# Altium PCB LimeSDR-X3_1v2.PcbDoc (part 3 of 25) (continued)
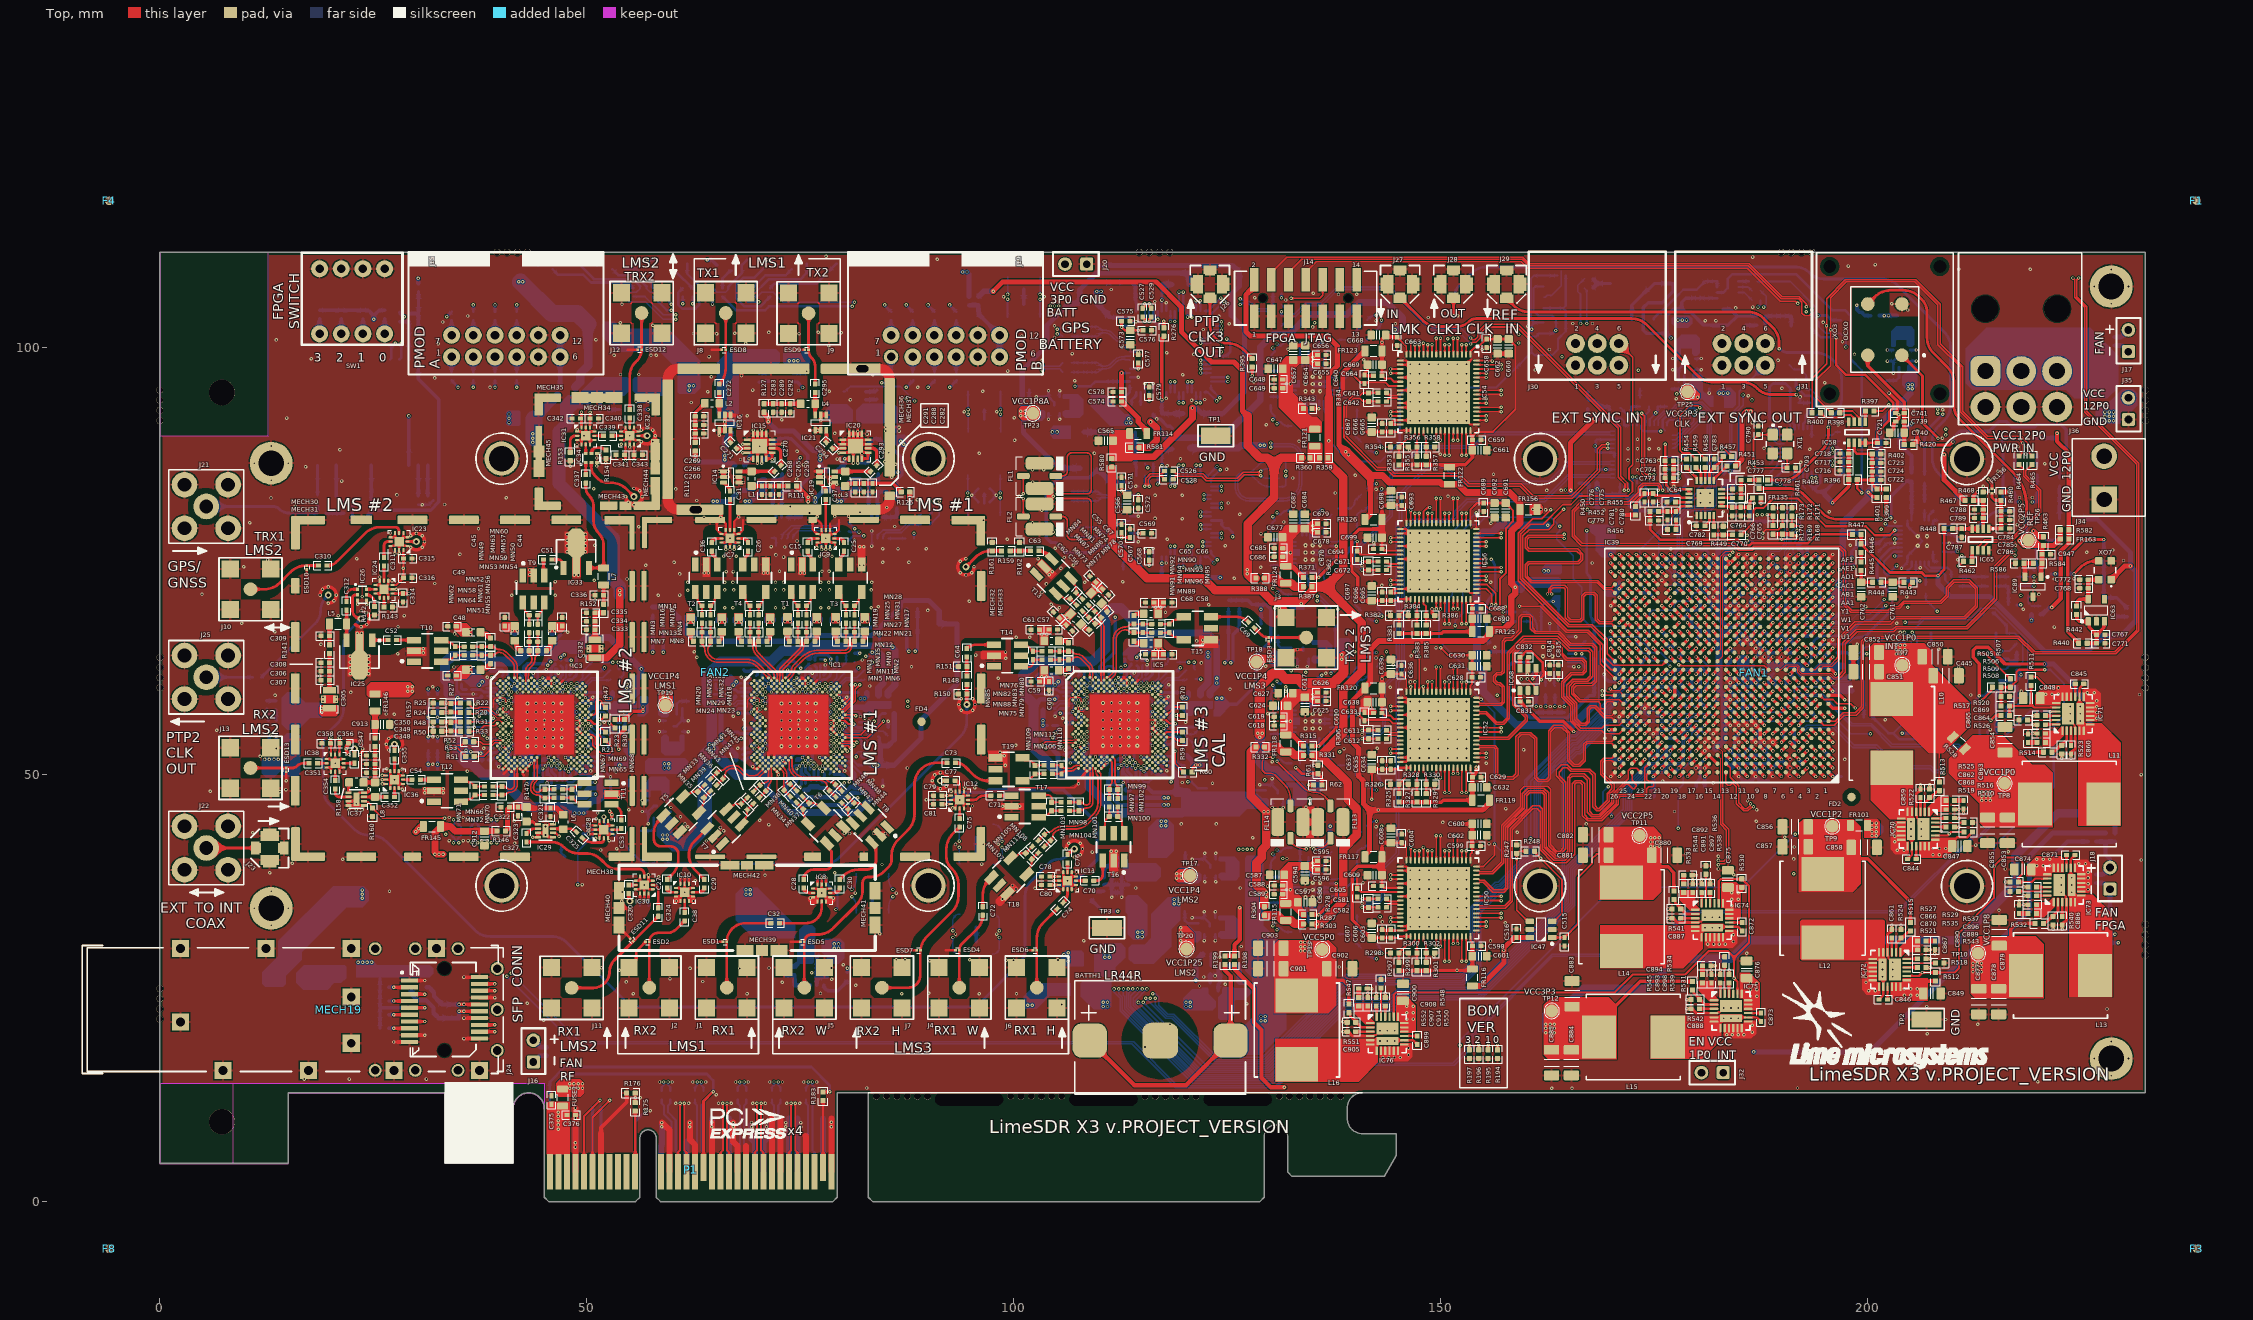
[diagram p0: Top view]
## Components (designator, comment, footprint, x,y, rotation, side; value= is the part's Value field where it differs from the comment) (continued)
IC11 "PE42422" PE42422_QFN12#1 106.275,37.575 r90 top
IC12 "PE42422" PE42422_QFN12#2 93.64,47.037 r90 top
IC13 "PS22917" SOT23-6#1 72.775,97.025 r180 bottom
IC14 "QPA4563A" QPA4563ATR7_SOT363-6 66.897,84.848 r0 top
IC15 "F2258NLGK8" "F2258NLGK8 _QFN3x3_16" 70.222,88.449 r0 top
IC16 "QPA4563A" QPA4563ATR7_SOT363-6 66.144,91.227 r90 top
IC17 "AD5662" AD5662_SOT23-8 73.108,78.894 r270 bottom
IC18 "PS22917" SOT23-6#1 81.325,93.9 r0 bottom
IC19 "QPA4563A" QPA4563ATR7_SOT363-6 78.125,84.85 r0 top
IC20 "F2258NLGK8" "F2258NLGK8 _QFN3x3_16" 81.45,88.45 r0 top
IC21 "QPA4563A" QPA4563ATR7_SOT363-6 77.375,91.225 r90 top
IC22 "AD5662" AD5662_SOT23-8 84.335,78.894 r270 bottom
IC23 "PE42422" PE42422_QFN12#1 28.004,77.289 r180 top
IC24 "PE42422" PE42422_QFN12#1 26.229,71.702 r270 top
IC25 "TQP369182" PGA-102+_SOT89 23.354,63.752 r270 top
IC26 "DC2337J5020AHF" DC2337J5020AHF_ANAREN_COUPLER_0805 23.704,71.052 r90 top
IC27 "PS22917" SOT23-6#1 13.625,55.062 r90 bottom
IC28 "PE42422" PE42422_QFN12#1 51.975,43.55 r90 top
IC29 "TQL9092" TQL9092 45.144,43.419 r0 top
IC30 "PE42422" PE42422_QFN12#1 56.709,37.069 r180 top
IC31 "PE42422" PE42422_QFN12#1 49.861,89.669 r0 top
IC32 "PE42422" PE42422_QFN12#1 55.011,89.67 r180 top
IC33 "TQP369182" PGA-102+_SOT89 48.744,76.201 r90 top
IC34 "DC2337J5020AHF" DC2337J5020AHF_ANAREN_COUPLER_0805 50.511,87.094 r180 top
IC35 "PS22917" SOT23-6#1 55.15,93.702 r180 bottom
IC36 "PE42422" PE42422_QFN12#1 27.466,49.407 r90 top
IC37 "TQL9092" TQL9092 22.991,47.132 r0 top
IC38 "PE42422" PE42422_QFN12#1 20.516,51.332 r0 top
IC39 "XC7A200T-2FBG676C" XC7A200T-2FBG676C_FBG676 182.875,62.775 r180 top locked
IC40 "MT25QL128" S25FL164K_WSON8_DFN6 211.81,61.7 r0 bottom
IC41 "MX25L25635FMI" SOIC16_WIDE 211.825,61.7 r90 bottom
IC42 "LM75" HWSON8_LM75 135.09,68.661 r180 bottom
IC43 "CAT24C128WI-GT3" SOIC127P600-8DL_v2#2 159.168,106.52 r0 bottom
IC44 "ATECC508A" ATECC508A_UDFN8 159.112,101.04 r0 bottom
IC45 "ATECC508A" SOIC127P600-8DL_v2#2 159.168,101.02 r0 bottom
IC46 "LYNQ N20B" NEO-7M/8M 24.35,92.425 r270 bottom
IC47 "SN74AVC1T45DBV" SOT23-6#2 161.722,31.872 r180 top
IC48 "MAX5878" MAX5878_QFN68 118.328,80.253 r90 bottom
IC49 "MAX5878" MAX5878_QFN68 118.328,99.528 r90 bottom
IC50 "ADS4246IRGCR" TI-RGC64-7400X7400TP_V 149.7,35.5 r270 top
IC51 "ADA4930-2" ADA4930-2_LFCSP-24 135,36.5 r0 bottom
IC52 "ADS4246IRGCR" TI-RGC64-7400X7400TP_V 149.7,55.25 r270 top
IC53 "ADA4930-2" ADA4930-2_LFCSP-24 135,56.25 r0 bottom
IC54 "ADS4246IRGCR" TI-RGC64-7400X7400TP_V 149.7,94.75 r270 top
IC55 "ADA4930-2" ADA4930-2_LFCSP-24 135,95.75 r0 bottom
IC56 "ADS4246IRGCR" TI-RGC64-7400X7400TP_V 149.7,75 r270 top
IC57 "ADA4930-2" ADA4930-2_LFCSP-24 135,76 r0 bottom
IC58 "AD5662" AD5662_SOT23-8 198.725,90.089 r90 top
IC59 "CDCM61004RHB" CDCM61004RHB_CLK_GEN_VQFN32 192.65,87.975 r90 bottom
IC60 "LP5951" LP5951MF_SOT23-5 184.366,103.55 r0 bottom
IC61 "AD5662" AD5662_SOT23-8 183.575,106.775 r0 bottom
IC62 "LMK00101" LMK00101_WQFN32 206.375,77.35 r0 bottom
IC63 "LP5907-3.0" SOT23-5#1 226.75,69.237 r90 top
IC64 "ADF4002" ADF4002 180.95,82.4 r90 top
IC65 "AD5662" AD5662_SOT23-8 213.175,77.54 r270 top
IC66 "LMK00101" LMK00101_WQFN32 162.5,64.4 r90 bottom
IC67 "CDCM6208V2GRGZR" "CDCM6208V2G _VQFN48" 173.7,87.475 r180 bottom
IC68 "SN74AVC1T45DBV" SOT23-6#2 160.2,61.15 r90 top
IC69 "SN65LVDS1" SOT23-5#2 218.5,88.475 r180 bottom
IC70 "ADP2386" ADP2386 205.9,43.625 r270 top
IC71 "ADP2386" ADP2386 224.025,57.125 r90 top
IC72 "ADP2386" ADP2386 202.55,27.175 r270 top
IC73 "ADP2386" ADP2386 223,37.075 r90 top
IC74 "ADP2386" ADP2386 181.776,32.929 r0 top
IC75 "ADP2386" ADP2386 183.975,22.325 r0 top
IC76 "ADP2386" ADP2386 143.725,19.65 r0 top
IC77 "LMZ20501SILR" LMZ20501SILR_DC-DC_8-SMD 123.525,26.15 r270 bottom
IC78 "LMZ20501SILR" LMZ20501SILR_DC-DC_8-SMD 112,36.725 r0 bottom
IC79 "LMZ20501SILR" LMZ20501SILR_DC-DC_8-SMD 77.325,26.8 r90 bottom
IC80 "AP7361-FGE" AP7361 122.975,39.125 r0 bottom
IC81 "AP7361-FGE" AP7361 133.845,64.514 r0 bottom
IC82 "AP7361-FGE" AP7361 60.18,55.667 r270 bottom
IC83 "AP7361-FGE" AP7361 122.941,32.25 r0 bottom
IC84 "AP7361-FGE" AP7361 130.875,47.825 r0 bottom
IC85 "AP7361-FGE" AP7361 58.15,46.325 r90 bottom
IC86 "AP7361-FGE" AP7361 104.695,93.276 r0 bottom
IC87 "AP7361-FGE" AP7361 203.961,99.07 r90 bottom
IC88 "AP7361-FGE" AP7361 178.811,98.07 r90 bottom
IC89 "AS431" SOT23-3_v2 219.325,72 r270 top
J1 "MCX" MCX_connector_vertical_SM 66.375,25.05 r0 top locked
J2 "MCX" MCX_connector_vertical_SM 57.3,25.05 r0 top locked
J3 "MCX" MCX_connector_vertical_SM 134.225,66.05 r0 top locked
J4 "MCX" MCX_connector_vertical_SM 93.6,25.05 r0 top locked
J5 "MCX" MCX_connector_vertical_SM 75.45,25.05 r0 top locked
J6 "MCX" MCX_connector_vertical_SM 102.675,25.05 r0 top locked
J7 "MCX" MCX_connector_vertical_SM 84.525,25.05 r0 top locked
J8 "MCX" MCX_connector_vertical_SM 66.247,104.05 r0 top locked
J9 "MCX" MCX_connector_vertical_SM 75.95,104.025 r0 top locked
J10 "MCX" MCX_connector_vertical_SM 10.6,71.701 r0 top locked
J11 "MCX" MCX_connector_vertical_SM 48.2,25.025 r0 top locked
J12 "MCX" MCX_connector_vertical_SM 56.4,104.05 r0 top locked
J13 "MCX" MCX_connector_vertical_SM 10.6,50.775 r0 top locked
J14 "878321420" MOLEX-878321420_V 134.15,105.8 r0 top locked
J15 "PMOD connector" HEADER6X_TH_RIGHT_ANGLE_LOCK#1 40.504,100.175 r0 top locked
J16 "Header" HDR_1x2 43.725,17.625 r180 top
J17 "Header" HDR_1x2 230.5,100.798 r180 top
J18 "Header" HDR_1x2 228.35,37.85 r180 top
J19 "PMOD connector" HEADER6X_TH_RIGHT_ANGLE_LOCK#2 91.963,100.175 r0 top locked
J20 "Batt" HDR_1x2 107.25,109.775 r270 top
J21 "SMA panel mount" SMA_connector_side 5.425,81.4 r0 top locked
J22 "SMA panel mount" SMA_connector_side 5.425,41.4 r0 top locked
J23 "U.FL/MMCX" MMCX_UFL_conn_u 12.843,41.4 r90 top
J24 "1367073-1" SFP_CON_x1_1367073-1 33.299,22.496 r0 top locked
J25 "SMA panel mount" SMA_connector_side 5.425,61.4 r0 top locked
J26 "U.FL/MMCX" MMCX_UFL_conn_u 122.95,107.425 r180 top
J27 "U.FL/MMCX" MMCX_UFL_conn_u 145.217,107.425 r180 top
J28 "U.FL/MMCX" MMCX_UFL_conn_u 151.458,107.425 r180 top
J29 "U.FL/MMCX" MMCX_UFL_conn_u 157.7,107.425 r180 top
J30 "Header 3X2" BHR-06-HUA_2x3_EDGE_HEADER 168.3,100.475 r0 top locked
J31 "Header 3X2" BHR-06-HUA_2x3_EDGE_HEADER 185.45,100.475 r0 top locked
J32 "Header" HDR_1x2 181.775,15.1 r270 top
J34 "12V" 1744037-2_CONNECTOR_1X2 227.65,84.75 r90 top
J35 "Header" HDR_1x2 230.5,92.845 r180 top
J36 "6-pin PCIe power" PCIe_POWER_HEADER_6PIN 213.75,97.25 r0 top locked
L1 "22nH, 350mA" RES0603 69.272,84.648 r90 top
L2 "22nH, 350mA" RES0603 64.65,93.475 r0 top
L3 "22nH, 350mA" RES0603 80.25,84.65 r90 top
L4 "22nH, 350mA" RES0603 75.875,93.425 r0 top
L5 "15nH, 600mA" RES0805#2 20.854,67.652 r0 top
L6 "18nH, 10%" RES0603 47.225,44.45 r270 top
L7 "15nH, 600mA" RES0805#2 51.95,73.2 r90 top
L8 "18nH, 10%" RES0603 25.191,48.232 r270 top
L9 "47nH" RES0402#1 18.95,80.625 r0 bottom
L10 "1µH" FDVE1040_TOKO_INDUCTOR 202.8,54.825 r90 top
L11 "1µH" FDVE1040_TOKO_INDUCTOR 223.575,46.55 r180 top
L12 "1µH" FDVE1040_TOKO_INDUCTOR 194.7,34.35 r90 top
L13 "1.5uH" FDVE1040_TOKO_INDUCTOR 222.55,26.475 r180 top
L14 "2.2µH" FDVE1040_TOKO_INDUCTOR 171.151,33.355 r90 top
L15 "2.2µH" FDVE1040_TOKO_INDUCTOR 172.525,19.275 r180 top
L16 "3.3µH" FDVE1040_TOKO_INDUCTOR 133.125,20.1 r90 top
LED1 "LED RG Angle" LED_RG_RIGHT_ANGLE_V3 45.975,109.825 r0 bottom
LED2 "LED RG Angle" LED_RG_RIGHT_ANGLE_V3 52.975,109.825 r0 bottom
LED3 "LED RG Angle" LED_RG_RIGHT_ANGLE_V3 59.975,109.825 r0 bottom
LED4 "LED RG Angle" LED_RG_RIGHT_ANGLE_V3 66.975,109.825 r0 bottom
LED5 "LED RG Angle" LED_RG_RIGHT_ANGLE_V3 80.975,109.825 r0 bottom
LED6 "LED RG Angle" LED_RG_RIGHT_ANGLE_V3 73.975,109.825 r0 bottom
MECH15 "Standoff" PCB_standoff 13.025,34.35 r90 bottom locked
MECH16 "Standoff" PCB_standoff 13.025,86.475 r90 bottom
MECH17 "Standoff" PCB_standoff 228.5,16.75 r90 bottom locked
MECH18 "Standoff" PCB_standoff 228.5,107.15 r90 bottom locked
MECH19 "2227302-1" SFP_Chassis_22273021 16.75,22.25 r0 top locked
MECH30 "PIC-S-208F" PIC-S-208F_RF_SHIELD_FRAME_R0#1 35.575,60.1 r0 top locked
MECH31 "PIC-S-208C" PIC-S-208C_RF_SHIELD_COVER 35.6,60.13 r0 top locked
MECH32 "PIC-S-208F" PIC-S-208F_RF_SHIELD_FRAME_R0#2 76.425,60.105 r90 top locked
MECH33 "PIC-S-208C" PIC-S-208C_RF_SHIELD_COVER 76.395,60.13 r0 top
MECH34 "RFI Shield clip" RFI_SHIELD_CLPS_MINI#1 51.186,94.144 r0 top
MECH35 "BMI-S-101" BMI-S-101_RF_SHIELD_v2 51.186,87.819 r0 top locked
MECH36 "MS263-10F" MS263-10F_RF_SHIELD_FRAME_V2 72.45,89.275 r0 top locked
MECH37 "MS263-10CP" MS263-10CP_RF_SHIELD_COVER 72.45,89.3 r180 top locked
MECH38 "S03-30100300R" S03-30100300R_RF_SHIELD 68.75,34.4 r180 top locked
MECH39 "RFI Shield clip" RFI_SHIELD_CLPS_MINI#1 70.5,29.4 r180 top
MECH40 "RFI Shield clip" RFI_SHIELD_CLPS_MINI#2 53.75,34.4 r90 top
MECH41 "RFI Shield clip" RFI_SHIELD_CLPS_MINI#1 83.75,34.4 r90 top
MECH42 "RFI Shield clip" RFI_SHIELD_CLPS_MINI#3 68.75,39.4 r180 top
MECH43 "RFI Shield clip" RFI_SHIELD_CLPS_MINI#4 54.525,81.5 r0 top
MECH44 "RFI Shield clip" RFI_SHIELD_CLPS_MINI#5 58.011,85.82 r90 top
MECH45 "RFI Shield clip" RFI_SHIELD_CLPS_MINI#6 44.361,87.819 r90 top
MN1 "0uH (0R)" RES0603 73.484,67.611 r90 top
MN2 "0uH (0R)" RES0603 76.916,67.611 r90 top
MN3 "0uH (0R)" RES0603 62.13,67.587 r90 top
MN4 "0uH (0R)" RES0603 65.81,67.587 r90 top
MN5 "8.2nH, 5%" RES0402#2 74.2,65.621 r180 top
MN6 "8.2nH, 5%" RES0402#2 76.2,65.621 r0 top
MN7 "8.2nH, 5%" RES0402#2 62.97,65.621 r180 top
MN8 "8.2nH, 5%" RES0402#2 64.97,65.621 r0 top
MN9 "0.8pF" CAP0402#2 75.7,68.221 r270 top
MN10 "0.8pF" CAP0402#2 64.47,68.221 r270 top
MN11 "1pF" CAP0402#2 75.2,66.671 r180 top
MN12 "0.5pF" CAP0402#2 75.2,69.771 r0 top
MN13 "1pF" CAP0402#2 63.97,66.671 r180 top
MN14 "0.5pF" CAP0402#2 63.97,69.771 r0 top
MN15 "0.8pF" CAP0402#2 74.7,68.221 r270 top
MN16 "0.8pF" CAP0402#2 63.47,68.221 r270 top
MN17 "100uH" RES0603 82.542,67.611 r90 top
MN18 "100uH" RES0603 71.44,67.587 r90 top
MN19 "100uH" RES0603 79.11,67.611 r90 top
MN20 "100uH" RES0603 67.76,67.587 r90 top
MN21 "47nH" RES0402#2 81.826,65.621 r0 top
MN22 "47nH" RES0402#2 79.826,65.621 r180 top
MN23 "47nH" RES0402#2 70.6,65.621 r0 top
MN24 "47nH" RES0402#2 68.6,65.621 r180 top
MN25 "100nF, 16V" CAP0402#2 80.326,68.221 r270 top
MN26 "100nF, 16V" CAP0402#2 69.1,68.221 r270 top
MN27 "0.5pF" CAP0402#2 80.826,66.671 r180 top
MN28 "2pF" CAP0402#2 80.826,69.771 r180 top
MN29 "0.5pF" CAP0402#2 69.6,66.671 r180 top
MN30 "2pF" CAP0402#2 69.6,69.771 r180 top
MN31 "100nF, 16V" CAP0402#2 81.326,68.221 r90 top
MN32 "100nF, 16V" CAP0402#2 70.1,68.221 r90 top
MN33 "510pF" CAP0402#2 64.113,49.129 r45 top
MN34 "510pF" CAP0402#2 74.176,47.084 r135 top
MN35 "8.2nH, 5%" RES0402#2 63.335,47.644 r135 top
MN36 "1.2pF" CAP0402#2 65.557,49.866 r135 top
MN37 "8.2nH, 5%" RES0402#2 75.661,46.306 r225 top
MN38 "1.2pF" CAP0402#2 73.434,48.534 r225 top
MN39 "510pF" CAP0402#2 64.82,48.422 r45 top
MN40 "510pF" CAP0402#2 74.883,47.791 r135 top
MN41 "2pF" CAP0402#2 69.159,47.683 r45 top
MN42 "2pF" CAP0402#2 79.484,47.042 r135 top
MN43 "0.5pF" CAP0402#2 68.416,46.234 r135 top
MN44 "0.5pF" CAP0402#2 80.933,46.299 r225 top
MN45 "1pF" CAP0402#2 70.608,48.426 r135 top
MN46 "1pF" CAP0402#2 78.741,48.491 r225 top
MN47 "2pF" CAP0402#2 69.866,46.976 r45 top
MN48 "2pF" CAP0402#2 80.191,47.749 r135 top
MN49 "0uH (0R)" RES0603 41.541,66.542 r90 top
MN50 "0uH (0R)" RES0603 45.941,66.542 r90 top
MN51 "0uH (0R)" RES0603 36.69,62.282 r180 top
MN52 "0uH (0R)" RES0603 36.69,66.682 r180 top
MN53 "4.7nH, ±0.2" RES0402#2 42.741,64.507 r180 top
MN54 "4.7nH, ±0.2" RES0402#2 44.741,64.507 r0 top
MN55 "4.7nH, ±0.2" RES0402#2 38.725,63.482 r270 top
MN56 "4.7nH, ±0.2" RES0402#2 38.725,65.482 r90 top
MN57 "0.4pF. 50V" CAP0402#2 44.241,67.107 r270 top
MN58 "0.4pF. 50V" CAP0402#2 36.125,64.982 r0 top
MN59 "10nH, 500mA" CAP0402#2 43.741,65.557 r180 top
MN60 "0.5pF" CAP0402#2 43.741,68.657 r0 top
MN61 "10nH, 500mA" CAP0402#2 37.675,64.482 r270 top
MN62 "0.5pF" CAP0402#2 34.575,64.482 r90 top
MN63 "0.4pF. 50V" CAP0402#2 43.241,67.107 r270 top
MN64 "0.4pF. 50V" CAP0402#2 36.125,63.982 r0 top
MN65 "0.3pF, 50V" CAP0402#2 46.659,47.278 r180 top
MN66 "0.3pF, 50V" CAP0402#2 38.491,48.607 r0 top
MN67 "30nH, 300mA" RES0402#2 45.064,47.778 r270 top
MN68 "13nH, 400mA" RES0402#2 48.259,47.778 r270 top
MN69 "0.3pF, 50V" CAP0402#2 46.659,48.278 r180 top
MN70 "30nH, 300mA" RES0402#2 40.041,48.107 r90 top
MN71 "13nH, 400mA" RES0402#2 36.891,48.107 r90 top
MN72 "0.3pF, 50V" CAP0402#2 38.491,47.607 r0 top
MN73 "0uH (0R)" RES0603 107.235,68.221 r135 top
MN74 "0uH (0R)" RES0603 109.661,70.648 r135 top
MN75 "0uH (0R)" RES0603 104.39,62.227 r180 top
MN76 "0uH (0R)" RES0603 104.39,65.659 r180 top
MN77 "4.7nH, ±0.2" RES0402#2 109.148,67.321 r225 top
MN78 "4.7nH, ±0.2" RES0402#2 110.562,68.735 r45 top
MN79 "4.7nH, ±0.2" RES0402#2 106.38,62.943 r270 top
MN80 "4.7nH, ±0.2" RES0402#2 106.38,64.943 r90 top
MN81 "0.4pF. 50V" CAP0402#2 108.37,70.22 r315 top
MN82 "0.4pF. 50V" CAP0402#2 103.78,64.443 r0 top
MN83 "10nH, 500mA" CAP0402#2 105.33,63.943 r270 top
MN84 "0.5pF" CAP0402#2 106.921,70.962 r45 top
MN85 "0.5pF" CAP0402#2 102.23,63.943 r90 top
MN86 "10nH, 500mA" CAP0402#2 109.113,68.77 r45 top
MN87 "0.4pF. 50V" CAP0402#2 107.663,69.513 r315 top
MN88 "0.4pF. 50V" CAP0402#2 103.78,63.443 r0 top
MN89 "100uH" RES0603 116.033,65.404 r0 top
MN90 "100uH" RES0603 116.033,68.836 r0 top
MN91 "47nH" RES0402#2 114.043,66.12 r270 top
MN92 "47nH" RES0402#2 114.043,68.12 r90 top
MN93 "100nF, 16V" CAP0402#2 116.643,67.62 r180 top
MN94 "0.5pF" CAP0402#2 115.093,67.12 r90 top
MN95 "2pF" CAP0402#2 118.193,67.12 r90 top
MN96 "100nF, 16V" CAP0402#2 116.643,66.62 r0 top
MN97 "0.3pF, 50V" CAP0402#2 111.157,46.71 r90 top
MN98 "0.3pF, 50V" CAP0402#2 106.014,46.767 r0 top
MN99 "30nH, 300mA" RES0402#2 111.657,48.252 r180 top
MN100 "13nH, 400mA" RES0402#2 111.657,45.11 r180 top
MN101 "30nH, 300mA" RES0402#2 107.614,46.267 r90 top
MN102 "0.3pF, 50V" CAP0402#2 112.157,46.71 r90 top
MN103 "13nH, 400mA" RES0402#2 104.414,46.267 r90 top
MN104 "0.3pF, 50V" CAP0402#2 106.014,45.767 r0 top
MN105 "100pF, 50V" CAP0402#2 102.49,41.913 r45 top
MN106 "100pF, 50V" CAP0402#2 104.009,50.085 r0 top
MN107 "10nH, 5%" RES0402#2 101.712,40.428 r135 top
MN108 "0.8pF" CAP0402#2 103.94,42.655 r315 top
MN109 "10nH, 5%" RES0402#2 102.459,50.585 r270 top
MN110 "0.8pF" CAP0402#2 105.559,50.585 r90 top
MN111 "100pF, 50V" CAP0402#2 103.197,41.206 r45 top
MN112 "100pF, 50V" CAP0402#2 104.009,51.085 r0 top
P1 "PCIeX4-GF-2D-1000-1K-O64" PCIeX4-GF-2D-1000-1K-O64 59.75,3.25 r0 top locked
R1 "10k, 1%" RES0402#1 192.375,76.525 r180 bottom
R2 "10k, 1%" RES0402#1 196.65,68.375 r90 bottom
R3 "10k, 1%" RES0402#1 191.875,68.275 r180 bottom
R4 "10k, 1%" RES0402#1 83.856,53.344 r180 bottom
R5 "10k, 1%" RES0402#1 83.631,54.444 r0 bottom
R6 "0R" RES0402#1 85.225,55.05 r270 bottom
R7 "49.9R, 1%" RES0402#1 80.846,64.213 r0 bottom
R8 "49.9R, 1%" RES0402#1 82.969,61.106 r0 bottom
R9 "49.9R, 1%" RES0402#1 83.022,62.282 r0 bottom
R10 "49.9R, 1%" RES0402#1 80.821,62.025 r0 bottom
R11 "10k, 1%" RES0402#1 194.875,75.275 r180 bottom
R12 "10k, 1%" RES0402#1 74.67,57.439 r315 bottom
R13 "2k2, 1%" RES0402#1 88.706,69.897 r270 bottom
R14 "2k2, 1%" RES0402#1 87.436,69.897 r270 bottom
R15 "49.9R" RES0402#1 32.5,55.65 r270 bottom
R16 "0R" RES0402#1 32.5,58.85 r270 bottom
R17 "49.9R" RES0402#1 31.4,55.65 r270 bottom
R18 "100R, 1%" RES0402#1 31.95,57.25 r180 bottom
R19 "0R" RES0402#1 31.4,58.85 r270 bottom
R20 "0R" RES0402#2 35.7,57.275 r180 top
R21 "0R" RES0402#2 52.191,54.482 r90 top
R22 "0R" RES0402#2 35.7,58.375 r180 top
R23 "10k, 1%" RES0402#2 53.291,55.957 r90 top
R24 "49.9R" RES0402#2 32.5,57.275 r180 top
R25 "49.9R" RES0402#2 32.5,58.375 r180 top
R26 "0R" RES0402#1 31.4,53.35 r270 bottom
R27 "100R, 1%" RES0402#2 34.1,57.825 r90 top
R28 "10k, 1%" RES0402#1 48.191,58.532 r270 bottom
R29 "0R" RES0402#1 32.5,53.35 r270 bottom
R30 "10k, 1%" RES0402#2 54.391,55.957 r270 top
R31 "0R" RES0402#2 35.7,56.175 r180 top
R32 "10k, 1%" RES0402#1 54.106,53.594 r180 bottom
R33 "0R" RES0402#2 35.7,55.075 r180 top
R34 "10k, 1%" RES0402#1 53.881,54.694 r0 bottom
R35 "0R" RES0402#1 55.991,55.169 r180 bottom
R36 "49.9R" RES0402#1 31.4,50.15 r270 bottom
R37 "39R, 1%" RES0402#1 34.125,43.375 r270 bottom
R38 "49.9R" RES0402#1 32.475,50.15 r270 bottom
R39 "100R, 1%" RES0402#1 31.95,51.75 r0 bottom
R40 "39R, 1%" RES0402#1 35.225,43.375 r270 bottom
R41 "39R, 1%" RES0402#1 38.55,43.375 r270 bottom
R42 "49.9R, 1%" RES0402#1 51.096,63.163 r0 bottom
R43 "39R, 1%" RES0402#1 39.675,43.375 r270 bottom
R44 "49.9R, 1%" RES0402#1 53.281,61.169 r0 bottom
R45 "49.9R, 1%" RES0402#1 53.272,62.282 r0 bottom
R46 "49.9R, 1%" RES0402#1 51.096,62.088 r0 bottom
R47 "0R" RES0402#2 52.166,57.382 r270 top
R48 "49.9R" RES0402#2 32.5,56.175 r180 top
R49 "10k, 1%" RES0402#1 49.416,57.957 r270 bottom
R50 "49.9R" RES0402#2 32.5,55.075 r180 top
R51 "39R, 1%" RES0402#2 36.3,52.125 r180 top
R52 "100R, 1%" RES0402#2 34.1,55.625 r270 top
R53 "39R, 1%" RES0402#2 36.25,53.85 r180 top
R54 "39R, 1%" RES0402#1 36.325,43.375 r270 bottom
R55 "39R, 1%" RES0402#1 37.45,43.375 r270 bottom
R56 "10k, 1%" RES0402#1 44.946,57.413 r315 bottom
R57 "2k2, 1%" RES0402#1 58.956,69.147 r270 bottom
R58 "2k2, 1%" RES0402#1 57.686,69.147 r270 bottom
R59 "0R" RES0402#2 119.731,54.498 r90 top
R60 "10k, 1%" RES0402#2 120.375,50.3 r0 top
R61 "10k, 1%" RES0402#2 135.6,50.6 r270 top
R62 "10k, 1%" RES0402#2 135.575,48.8 r180 top
R63 "10k, 1%" RES0402#1 121.546,53.61 r180 bottom
R64 "10k, 1%" RES0402#1 121.546,54.71 r0 bottom
R65 "0R" RES0402#1 123.246,55.81 r180 bottom
R66 "49.9R, 1%" RES0402#1 118.536,63.18 r0 bottom
R67 "49.9R, 1%" RES0402#1 120.721,61.185 r0 bottom
R68 "49.9R, 1%" RES0402#1 120.712,62.299 r0 bottom
R69 "49.9R, 1%" RES0402#1 118.511,62.041 r0 bottom
R70 "0R" RES0402#2 119.725,57.425 r270 top
R71 "10k, 1%" RES0402#1 116.825,57.925 r270 bottom
R72 "10k, 1%" RES0402#1 112.336,57.456 r315 bottom
R73 "2k2, 1%" RES0402#1 126.396,69.913 r270 bottom
R74 "2k2, 1%" RES0402#1 125.126,69.913 r270 bottom
R75 "0R" RES0402#1 84.156,58.794 r270 bottom
R76 "0R" RES0402#1 85.256,58.794 r270 bottom
R77 "10R" RES0201 69.847,61.26 r90 bottom
R78 "10R" RES0201 69.125,61.616 r90 bottom
R79 "0R" RES0201 77.341,63.233 r90 bottom
R80 "0R" RES0402#1 82.731,51.094 r180 bottom
R81 "0R" RES0402#1 82.258,52.694 r90 bottom
R82 "0R" RES0402#1 85.481,57.169 r180 bottom
R83 "0R" RES0402#1 82.261,59.599 r180 bottom
R84 "0R" RES0402#1 77.933,56.426 r270 bottom
R85 "10R" RES0201 65.081,60.894 r90 bottom
R86 "10R" RES0201 80.455,49.683 r180 bottom
R87 "0R" RES0402#1 54.406,58.794 r270 bottom
R88 "0R" RES0402#1 55.506,58.794 r270 bottom
R89 "10R" RES0201 40.097,61.26 r90 bottom
R90 "10R" RES0201 39.317,61.615 r90 bottom
R91 "0R" RES0201 47.591,63.133 r90 bottom
R92 "0R" RES0402#1 52.981,51.094 r180 bottom
R93 "0R" RES0402#1 52.511,52.694 r90 bottom
R94 "0R" RES0402#1 55.731,57.169 r180 bottom
R95 "0R" RES0402#1 52.511,59.599 r180 bottom
R96 "0R" RES0402#1 48.246,56.451 r270 bottom
R97 "10R" RES0201 35.331,60.894 r90 bottom
R98 "10R" RES0201 50.705,49.683 r180 bottom
R99 "0R" RES0402#1 121.846,58.81 r270 bottom
R100 "0R" RES0402#1 122.946,58.81 r270 bottom
R101 "10R" RES0201 107.537,61.276 r90 bottom
R102 "10R" RES0201 106.757,61.631 r90 bottom
R103 "0R" RES0201 115.031,63.15 r90 bottom
R104 "0R" RES0402#1 120.421,51.11 r180 bottom
R105 "0R" RES0402#1 119.946,52.71 r90 bottom
R106 "0R" RES0402#1 123.171,57.185 r180 bottom
R107 "0R" RES0402#1 119.951,59.615 r180 bottom
R108 "0R" RES0402#1 115.624,56.442 r270 bottom
R109 "10R" RES0201 102.771,60.91 r90 bottom
R110 "10R" RES0201 118.145,49.699 r180 bottom
R111 "39R, 1%" RES0402#2 74.047,83.798 r180 top
R112 "39R, 1%" RES0402#2 62.675,88.4 r90 top
R113 "0R" RES0402#1 72.775,99.125 r0 bottom
R114 "0R" RES0402#1 70.175,97.475 r270 bottom
R115 "0R" RES0402#1 71.259,84.554 r180 bottom
R116 "0R" RES0402#1 73.359,85.247 r0 bottom
R117 "0R" RES0402#1 71.259,83.454 r180 bottom
R118 "0R" RES0402#1 67.9,86.225 r180 bottom
R119 "4.7k, 1%" RES0402#1 71.725,88.15 r90 bottom
R120 "100R, 1%" RES0402#1 72.859,83.654 r270 bottom
R121 "0R" RES0402#1 75.069,81.689 r270 bottom
R122 "10k, 1%" RES0402#1 73.959,83.654 r270 bottom
R123 "49.9R, 1%" RES0402#1 80.1,77.35 r0 bottom
R124 "49.9R, 1%" RES0402#1 80.1,78.45 r0 bottom
R125 "49.9R, 1%" RES0402#1 80.1,79.55 r0 bottom
R126 "39R, 1%" RES0402#2 87.3,83.1 r180 top
R127 "39R, 1%" RES0402#2 70.75,92.925 r90 top
R128 "0R" RES0402#1 81.325,91.8 r180 bottom
R129 "0R" RES0402#1 83.925,93.45 r90 bottom
R130 "0R" RES0402#1 82.485,84.554 r180 bottom
R131 "0R" RES0402#1 84.585,85.248 r0 bottom
R132 "0R" RES0402#1 82.485,83.454 r180 bottom
R133 "0R" RES0402#1 78.726,85.452 r180 bottom
R134 "4.7k, 1%" RES0402#1 82.953,88.152 r90 bottom
R135 "100R, 1%" RES0402#1 84.085,83.654 r270 bottom
R136 "0R" RES0402#1 86.296,81.689 r270 bottom
R137 "10k, 1%" RES0402#1 85.185,83.654 r270 bottom
R138 "49.9R, 1%" RES0402#1 87.8,77.65 r0 bottom
R139 "49.9R, 1%" RES0402#1 89.625,79.25 r0 bottom
R140 "49.9R, 1%" RES0402#1 89.625,80.497 r0 bottom
R141 "24R, 1%" RES0402#2 19.854,64.702 r90 top
R142 "49.9R, 1%" RES0402#2 25.104,69.177 r270 top
R143 "49.9R, 1%" RES0402#2 26.729,69.635 r0 top
R144 "0R" RES0402#1 15.545,55.052 r270 bottom
R145 "0R" RES0402#1 14.073,57.602 r180 bottom
R146 "0R" RES0402#2 39.95,43.4 r0 top
R147 "5.1k, 1%" RES0603 42.925,45.35 r90 top
R148 "61.9R, 1%" RES0402#2 94.484,61.045 r90 top
R149 "22k, 1%" RES0402#1 46.975,42.05 r90 bottom
R150 "249R, 1%" RES0402#2 93.984,59.445 r0 top
R151 "249R, 1%" RES0402#2 93.984,62.645 r0 top
R152 "24R, 1%" RES0402#2 51.95,69.45 r90 top
R153 "49.9R, 1%" RES0402#2 48.036,87.244 r270 top
R154 "49.9R, 1%" RES0402#2 52.211,87.495 r270 top
R155 "0R" RES0402#1 55.16,95.613 r0 bottom
R156 "0R" RES0402#1 52.61,94.15 r270 bottom
R157 "0R" RES0402#2 25.191,53.782 r270 top
R158 "5.1k, 1%" RES0603 22.991,49.082 r0 top
R159 "61.9R, 1%" RES0402#2 99.059,76.2 r0 top
R160 "22k, 1%" RES0402#2 24.866,45.607 r90 top
R161 "249R, 1%" RES0402#2 97.459,76.7 r270 top
R162 "249R, 1%" RES0402#2 100.659,76.7 r270 top
R163 "100R, 1%" RES0402#1 180.875,75.275 r0 bottom
R164 "15R, 1%" RES0402#1 214.1,68.975 r0 bottom
R165 "1k, 1%" RES0402#1 200.025,56.725 r180 bottom
R166 "100R, 1%" RES0402#1 180.375,48.55 r180 bottom
R167 "1k, 1%" RES0402#1 200.025,57.825 r180 bottom
R168 "0R" RES0402#2 191.1,78.65 r90 top
R169 "0R" RES0402#2 190,78.65 r90 top
R170 "0R" RES0402#2 188.9,78.65 r90 top
R171 "0R" RES0402#2 191.1,80.75 r90 top
R172 "0R" RES0402#2 190,80.75 r90 top
R173 "0R" RES0402#2 188.9,80.75 r90 top
R174 "0R" RES0402#1 51.15,11.075 r180 bottom
R175 "0R" RES0402#2 55.65,11.1 r270 top
R176 "10k, 1%" RES0402#2 55.15,12.7 r180 top
R177 "4.7k, 1%" RES0402#1 181.375,71.775 r90 bottom
R178 "249R, 1%" RES0402#1 69.403,106.475 r90 bottom
R179 "249R, 1%" RES0402#1 68.233,106.475 r90 bottom
R180 "4.7k, 1%" RES0402#1 179.875,74.278 r0 bottom
R181 "4.7k, 1%" RES0402#1 186.875,68.275 r180 bottom
R182 "0R" RES0402#1 46.1,13.263 r0 bottom
R183 "0R" RES0402#2 77.65,12.35 r270 top
R184 "4.7k, 1%" RES0402#1 200.849,103.75 r180 bottom
R185 "15R, 1%" RES0402#1 217.412,64.847 r90 bottom
R186 "4.7k, 1%" RES0402#1 217.41,62.75 r90 bottom
R187 "15R, 1%" RES0402#1 205.24,59.05 r180 bottom
R188 "4.7k, 1%" RES0402#1 205.74,60.65 r270 bottom
R189 "15R, 1%" RES0402#1 205.74,64.85 r90 bottom
R190 "4.7k, 1%" RES0402#1 205.74,62.75 r90 bottom
R191 "15R, 1%" RES0402#1 217.41,58.55 r270 bottom
R192 "4.7k, 1%" RES0402#1 217.41,60.65 r270 bottom
R193 "4.7k, 1%" RES0402#1 177.875,64.275 r0 bottom
R194 "0R" RES0402#2 156.625,17.275 r270 top
R195 "0R" RES0402#2 155.525,17.275 r270 top
R196 "0R" RES0402#2 154.425,17.275 r270 top
R197 "0R" RES0402#2 153.325,17.275 r270 top
R198 "0R" RES0402#2 125.825,28.275 r90 top
R199 "0R" RES0402#2 124.725,28.275 r90 top
R200 "200R, 1%" RES0402#1 34.146,96.65 r90 bottom
R201 "200R, 1%" RES0402#1 34.146,103.7 r90 bottom
R202 "10k, 1%" RES0402#1 18.69,103.865 r270 bottom
R203 "10k, 1%" RES0402#1 21.23,103.865 r270 bottom
R204 "10k, 1%" RES0402#1 23.77,103.865 r270 bottom
R205 "10k, 1%" RES0402#1 26.31,103.865 r270 bottom
R206 "10k, 1%" RES0402#1 137.75,67.9 r270 bottom
R207 "100R, 1%" RES0402#1 54.267,106.475 r270 bottom
R208 "200R, 1%" RES0402#1 36.689,96.65 r90 bottom
R209 "200R, 1%" RES0402#1 36.689,103.7 r90 bottom
R210 "200R, 1%" RES0402#1 39.232,96.65 r90 bottom
R211 "200R, 1%" RES0402#1 39.232,103.7 r90 bottom
R212 "100R, 1%" RES0402#1 55.438,106.475 r270 bottom
R213 "3k, 1%" RES0402#1 164.113,108.425 r180 bottom
R214 "200R, 1%" RES0402#1 41.775,96.65 r90 bottom
R215 "200R, 1%" RES0402#1 41.775,103.7 r90 bottom
R216 "3k, 1%" RES0402#1 164.113,102.575 r180 bottom
R217 "100R, 1%" RES0402#1 57.746,106.475 r270 bottom
R218 "0R" RES0402#1 47.361,95.35 r0 bottom
R219 "0R" RES0402#1 45.761,94.85 r90 bottom
R220 "100R, 1%" RES0402#1 58.917,106.475 r270 bottom
R221 "100R, 1%" RES0402#1 61.225,106.475 r270 bottom
R222 "100R, 1%" RES0402#1 62.396,106.475 r270 bottom
R223 "0R" RES0402#1 228.925,42.675 r90 bottom
R224 "0R" RES0402#1 227.825,42.675 r90 bottom
R225 "0R" RES0402#1 226.225,42.175 r180 bottom
R226 "100R, 1%" RES0402#1 64.704,106.475 r270 bottom
R227 "200R, 1%" RES0402#1 85.606,96.65 r90 bottom
R228 "200R, 1%" RES0402#1 85.606,103.7 r90 bottom
R229 "100R, 1%" RES0402#1 65.867,106.475 r270 bottom
R230 "200R, 1%" RES0402#1 88.149,96.65 r90 bottom
R231 "200R, 1%" RES0402#1 88.149,103.7 r90 bottom
R232 "0R" RES0402#1 228.35,33.35 r90 bottom
R233 "200R, 1%" RES0402#1 90.691,96.65 r90 bottom
R234 "200R, 1%" RES0402#1 90.691,103.7 r90 bottom
R235 "0R" RES0402#1 228.35,30.8 r90 bottom
R236 "10k, 1%" RES0402#1 223.5,33.4 r90 bottom
R237 "200R, 1%" RES0402#1 93.234,96.65 r90 bottom
R238 "200R, 1%" RES0402#1 93.234,103.7 r90 bottom
R239 "249R, 1%" RES0402#1 71.446,106.475 r90 bottom
R240 "0R" RES0402#1 94.75,105.475 r90 bottom
R241 "0R" RES0402#1 95.85,105.475 r270 bottom
R242 "0R" RES0402#1 22.025,81.725 r180 bottom
R243 "0R" RES0402#1 23.025,79.525 r180 bottom
R244 "10R, 5%" RES0402#1 22.025,80.625 r180 bottom
R245 "0R" RES0402#1 24.75,81.176 r270 bottom
R246 "0R" RES0402#1 25.25,82.775 r0 bottom
R247 "10k, 1%" RES0402#2 158.875,41.275 r270 top
R248 "0R" RES0402#2 160.475,41.025 r0 top
R249 "0R" RES0402#1 30.25,82.125 r90 bottom
R250 "0R" RES0402#1 28.075,103.55 r90 bottom
R251 "0R" RES0402#1 29.175,103.55 r90 bottom
R252 "0R" RES0402#1 31.35,82.125 r90 bottom
R253 "0R" RES0402#1 106.202,77.852 r180 bottom
R254 "0R" RES0402#1 106.202,97.129 r180 bottom
R255 "49.9R, 1%" RES0402#1 107.802,77.352 r90 bottom
R256 "49.9R, 1%" RES0402#1 107.802,96.629 r90 bottom
R257 "100R, 1%" RES0402#1 109.902,78.402 r90 bottom
R258 "100R, 1%" RES0402#1 109.902,97.679 r90 bottom
R259 "49.9R, 1%" RES0402#1 107.802,79.452 r270 bottom
R260 "49.9R, 1%" RES0402#1 107.802,98.729 r270 bottom
R261 "0R" RES0402#1 106.202,78.952 r180 bottom
R262 "0R" RES0402#1 106.202,98.229 r180 bottom
R263 "0R" RES0402#1 106.202,82.052 r180 bottom
R264 "0R" RES0402#1 106.202,101.327 r180 bottom
R265 "49.9R, 1%" RES0402#1 107.802,81.552 r90 bottom
R266 "49.9R, 1%" RES0402#1 107.802,100.827 r90 bottom
R267 "100R, 1%" RES0402#1 109.902,82.602 r90 bottom
R268 "100R, 1%" RES0402#1 109.902,101.877 r90 bottom
R269 "49.9R, 1%" RES0402#1 107.802,83.652 r270 bottom
R270 "49.9R, 1%" RES0402#1 107.802,102.927 r270 bottom
R271 "0R" RES0402#1 106.202,83.152 r180 bottom
R272 "0R" RES0402#1 106.202,102.427 r180 bottom
R273 "2.4k, 1%" RES0402#1 113.277,74.027 r0 bottom
R274 "2.4k, 1%" RES0402#1 113.277,93.302 r0 bottom
R275 "0R" RES0402#1 115.827,86.402 r180 bottom
R276 "0R" RES0402#2 117.55,101.825 r270 top